# Altium PCB Proyecto_0-Buck_Up.PcbDoc (part 5 of 5)
Units mil, origin at the board's own origin, x right, y up, seen from the top; angles counter-clockwise.
Board outline 2559.06 x 1771.65 mil, 10 copper layers (TOP, GND[1], VDD[1], Signal[1], GND[2], VDD[2], Signal[2], GND[3], VDD[3], Bottom Layer), stack 79.883 mil thick; 191 components, 257 nets, 1114 pads, 633 vias.
Unrouted connection lines stored in the file: 488.
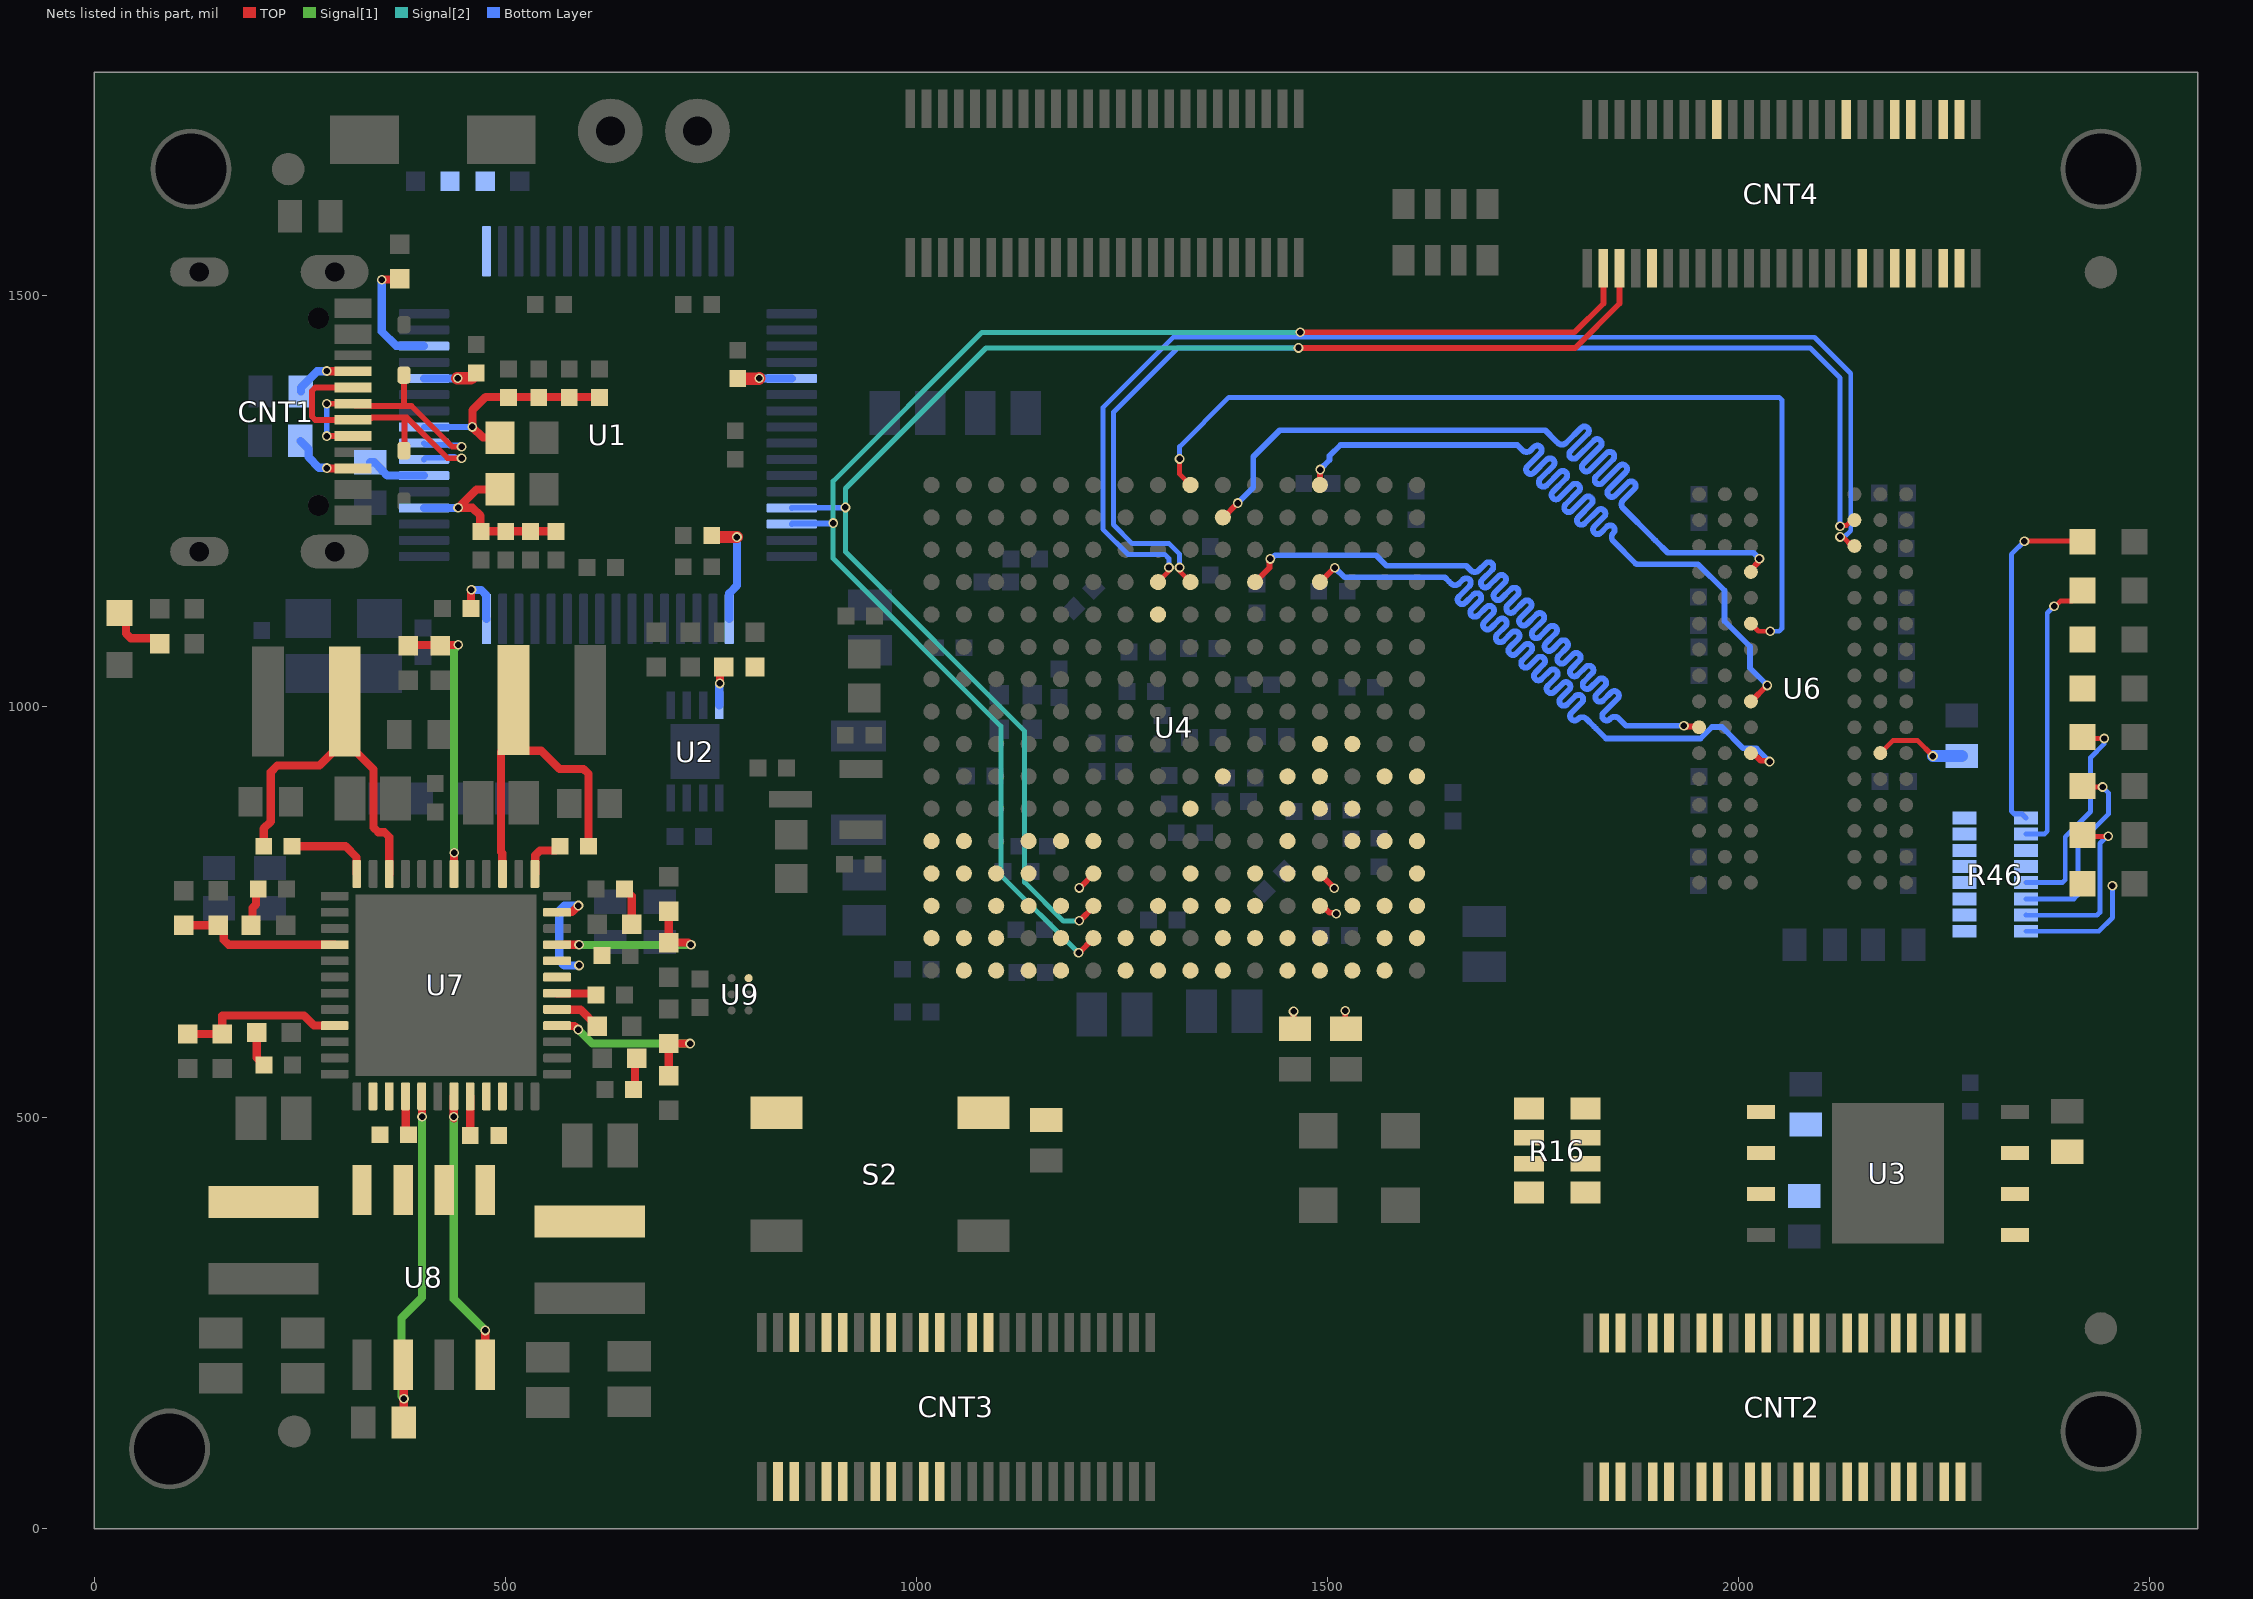
[diagram p13: the nets of this part, all layers, seen from the top]

## Via types
v1: diameter 11.81, hole 7.87, TOP to Bottom Layer, 618 vias
v2: diameter 19.68, hole 11.81, TOP to Bottom Layer, 15 vias

## Nets (pads, with @x,y where several pads share a name; then routed paths per layer and width w, separated by ;. In a path a pad name is that pad's centre, name@x,y a point inside that pad or via, vN(x,y) a via of type N, cw(c..) or ccw(c..) an arc to the next point about the centre after c; other vN are vias at no path point) (continued)
LDQS_P: U4.A9 U6.F3 | length 1131.9
  TOP w6: v1(1320.39,1301) 1320.39,1282.52 U4.A9@1333.57,1269.34 ; U6.F3@2015.22,1100.67 2024.46,1091.43 v1(2038.7,1091.43)
  Bottom Layer w6: v1(1320.39,1301) 1320.39,1316 1380.38,1376 1413,1376 1610,1376 2049.6,1376 2053.12,1372.49 2053.12,1094.94 2049.6,1091.43 v1(2038.7,1091.43)
LED0: CNT4.2 R46.1 U4.K12
LED1: CNT4.3 R46.2 U4.L14
LED2: CNT4.48 R46.3 U4.M14
LED3: CNT4.49 R46.4 U4.K13
LED4: CNT4.6 R46.5 U4.L13
LED5: CNT4.5 R46.6 U4.M12
LED6: CNT4.45 R46.7 U4.M16
LED7: CNT4.46 R46.8 U4.N16
LED_1: D4.A R46.16 | length 150.9
  Bottom Layer w6: R46.16@2349.8,726.57 2438.49,726.57 2455,743.09 v1(2455,782)
LED_2: D5.A R46.15 | length 221.2
  TOP w6: D5.A@2418.65,843.75 2420.4,842 v1(2450,842)
  Bottom Layer w6: R46.15@2349.8,746.26 2350.06,746 2436.16,746 2439.67,749.51 2439.67,833.24 2448.43,842 v1(2450,842)
LED_3: D6.A R46.14 | length 239.4
  TOP w6: D6.A@2418.65,903.18 2419.83,902 v1(2443,902)
  Bottom Layer w6: R46.14@2349.8,765.94 2408.06,765.94 2413,770.89 2413,832 2450,869 2450,895 v1(2443,902)
LED_4: D7.A R46.13 | length 268.6
  TOP w6: D7.A@2418.05,962 D7.A@2418.65,962.61 2420.26,961 v1(2445,961)
  Bottom Layer w6: R46.13@2349.8,785.63 2394.12,785.63 2397.63,789.14 2397.63,841.37 2428.26,872 2428.26,937.74 2445,954.48 v1(2445,961)
LED_5: D8.A R46.12 | length 1.5
  TOP w6: D8.A@2417.62,1021 D8.A@2418.65,1022.03
LED_6: D9.A R46.11 | length 2.2
  TOP w6: D9.A@2417.12,1083 D9.A@2418.65,1081.46
LED_7: D10.A R46.10 | length 347.1
  TOP w6: v1(2384,1122) 2385.57,1122 2391.71,1128.14 2405.91,1128.14 2418.54,1140.78 D10.A@2418.54,1141
  Bottom Layer w6: R46.10@2349.8,844.68 2372.17,844.68 2375.69,848.2 2375.69,1113.68 v1(2384,1122)
LED_8: D11.A R46.9 | length 427.1
  TOP w6: v1(2348,1201) 2417.97,1201 D11.A@2418.65,1200.32
  Bottom Layer w6: v1(2348,1201) 2332,1185 2332,872.76 2335.51,869.24 2344.93,869.24 R46.9@2349.8,864.37
M1: CNT3.48 U4.M1
M2: CNT3.49 U4.M2
M4: CNT3.3 U4.M4
M6: CNT2.17 U4.P15
M15: CNT2.49 U4.M15
N1: CNT3.46 U4.N1
N2: CNT3.6 U4.N2
N3: CNT3.5 U4.N3
N4: CNT3.42 U4.N4
N5: CNT3.43 U4.M5
N6: CNT2.18 U4.P16
N9: CNT2.37 U4.N9
N11: CNT2.8 U4.N11
N12: CNT2.9 U4.N12
N13: CNT2.46 U4.N13 | length 24.6
  TOP w7: U4.N13@1491.22,796.46 v1@1508.59,779.09
  other v1: 1508.59,778.7
NetC85_1: C85.1 U7.32 | length 47.8
  TOP w10: U7.32@457.53,525.76 457.6,525.69 457.6,478.07 C85.1@457.68,478
NetC85_2: C85.2 L5.1 U7.33 U7.34 U8.5 U8.6
NetC88_2: C88.2 R32.1 | length 39.5
  TOP w10: C88.2@656.32,534 658.16,535.84 658.16,570.16 R32.1@660,572
NetC89_1: C89.1 U7.28 | length 48.2
  TOP w10: U7.28@378.79,525.76 379.1,525.45 379.1,482.22 C89.1@382.32,479
NetC89_2: C89.2 L6.1 U7.26 U7.27 U8.7 U8.8
NetC92_2: C92.2 R36.1 | length 43
  TOP w10: R36.1@198,603.39 198,572.68 C92.2@206.68,564
NetC93_1: C93.1 U7.1 | length 57.5
  TOP w10: U7.1@536.27,796.24 536.58,796.55 536.58,818.91 542.44,824.76 561.44,824.76 C93.1@566.68,830
NetC93_2: C93.2 L7.1 U7.3 | length 415.5
  TOP w10: U7.3@496.9,796.24 496.58,796.55 496.58,821.42 495,823 495,945.02 L7.1@510.35,960.36 ; L7.1@510.35,1008 L7.1@510.35,960.36 ; C93.2@601.32,830 601.32,918.14 595.46,924 566.13,924 544.06,946.07 524.64,946.07 L7.1@510.35,960.36
NetC95_2: C95.2 R39.1 | length 46.6
  TOP w10: C95.2@645.32,778 654,769.32 R39.1@654,735
NetC96_1: C96.1 U7.12 | length 104.4
  TOP w10: C96.1@241.01,830 306,830 319.42,816.58 319.42,796.55 U7.12@319.73,796.24
NetC96_2: C96.2 L8.1 U7.10 | length 424.2
  TOP w10: C96.2@206.36,830 206.36,851.36 215,860 215,920.14 222.86,928 274.38,928 L8.1@305,958.62 ; L8.1@305,994 L8.1@305,958.62 ; U7.10@359.1,796.24 359.1,841.14 353.24,847 345.86,847 340,852.86 340,923.62 L8.1@305,958.62
NetC98_2: C98.2 R42.1 | length 47.6
  TOP w10: R42.1@191,734 192.81,735.81 192.81,754.95 196.92,759.07 196.92,775.25 C98.2@199.68,778
NetC100_2: C100.2 U7.42 | length 48.3
  TOP w10: U7.42@563.24,651.16 563.55,650.84 608.83,650.84 C100.2@610.68,649
NetCNT1_A5: CNT1.A5 R2.1 | length 76.9
  TOP w10: v1(283,1408) 283.42,1407.58 CNT1.A5@315.13,1407.58
  Bottom Layer w10: R2.1@251.61,1383 251.61,1387.92 271.34,1407.65 282.65,1407.65 v1(283,1408)
NetCNT1_B5: CNT1.B5 R1.1 | length 83.3
  TOP w10: v1@283.42,1289.47 CNT1.B5@315.13,1289.47
  Bottom Layer w10: R1.1@251,1323 260.76,1313.24 260.76,1303.24 273.76,1290.24 282.65,1290.24 v1(283,1289.89)
NetD3_A: D3.A R15.2 | length 73.5
  TOP w10: D3.A@31,1113.5 38.88,1105.61 38.88,1088.67 44.74,1082.81 72.19,1082.81 R15.2@79,1076
NetR3_2: R3.2 U1.14 | length 144.1
  TOP w10: v1(350,1519) 350.35,1519.35 371.35,1519.35 R3.2@372,1520
  Bottom Layer w10: v1(350,1519) 350,1456 367.22,1438.78 400.87,1438.78 U1.14@401.38,1438.27
NetR4_1: R4.1 R9.1 U2.4 | length 48.8
  TOP w10: v1(761,1028) 761.35,1028.35 761.35,1043.35 R9.1@766,1048
  Bottom Layer w10: U2.4@760.53,1001.5 760.53,1027.53 v1(761,1028)
NetR7_2: R7.2 U1.6 | length 72.4
  Bottom Layer w10: R7.2@336,1297 340.92,1297 350.69,1287.24 350.69,1286.65 356.54,1280.79 U1.6@401.38,1280.79
NetR8_1: R8.1 R10.2 U1.17
NetR16_1: R16.1 U4.J13
NetR16_2: R16.2 U4.J14
NetR16_3: R16.3 U4.K15
NetR16_4: R16.4 U4.K16
NetR17_2: R17.2 U4.K10 | length 22.4
  TOP w7: v1(1522,630) 1522,608.68 R17.2@1522.73,607.95
NetR30_1: R30.1 R31.1 U7.40 | length 235.8
  TOP w10: U7.40@563.24,611.79 563.55,611.47 584.53,611.47 v1(589,607) ; R30.1@699,551 R31.1@699,590 v1(725,590)
  Signal[1] w10: v1(589,607) 606,590 v1(725,590)
NetR33_1: R33.1 R34.1 U7.21 | length 206.2
  TOP w10: R33.1@114,601.62 R34.1@156,601.62 156,624 255.39,624 267.61,611.79 U7.21@292.76,611.79
NetR35_1: R35.1 U7.29 U8.2 | length 450.6
  TOP w10: U8.2@376,199.4 376.65,198.75 376.65,158.35 v1(377,158) 376.8,157.8 376.8,129.2 R35.1@376.61,129 ; U7.29@398.47,525.76 398.79,525.45 398.79,501.21 v1(399,501)
  Signal[1] w10: v1(377,158) 374,161 374,256 399,281 v1(399,501)
NetR37_1: R37.1 R38.1 U7.45 | length 229.5
  TOP w10: U7.45@563.24,710.21 563.34,710.11 589.89,710.11 v1(590,710) ; R37.1@699,751 R38.1@699,712.57 699.22,712.78 722.73,712.78 725.51,710 v1(726,710)
  Signal[1] w10: v1(590,710) v1(726,710)
NetR40_1: R40.1 R41.1 U7.16 | length 200.2
  TOP w10: R41.1@109,733.91 109.04,733.96 R40.1@151,734 R40.1@151,734 157.81,727.19 157.81,716.07 163.67,710.21 U7.16@292.76,710.21
NetR43_1: R43.1 R44.1 U7.6 | length 342.5
  TOP w10: R44.1@382,1073.62 383.04,1074.65 442.65,1074.65 v1(443,1075) ; U7.6@437.84,796.24 438,796.39 437.92,796.47 437.92,821.92 v1(438,822)
  Signal[1] w10: v1(438,822) 438,1069.51 443,1074.51 v1(443,1075)
NetR45_2: R45.2 U7.41 | length 57.2
  TOP w10: U7.41@563.24,631.47 563.55,631.16 591.84,631.16 R45.2@612,611
NetR48_1: R48.1 U6.L8 | length 113.3
  TOP w6: U6.L8@2172.7,943.19 2188.18,958.67 2217.7,958.67 v1(2236.7,939.67)
  Bottom Layer w15: v1(2236.7,939.67) R48.1@2271.7,939.67
NetU7_31: U7.31 U8.4 | length 342.5
  TOP w10: v1@437.68,499 v1@437.84,499.16 ; v1(437.68,501) 437.68,525.61 U7.31@437.84,525.76 ; U8.4@476,199.4 v1(476,241)
  Signal[1] w10: v1(437.68,501) 437.68,279.31 v1(476,241)
ODT: U4.D11 U6.K1 | length 1141.1
  TOP w7: U4.D11@1412.31,1151.23 1429.81,1168.72 1429.81,1178.42 v1(1430.73,1179.34) ; v1(1933.78,976.64) 1934.7,975.72 1951.19,975.72 U6.K1@1952.22,974.69
  Bottom Layer w7: v1(1430.73,1179.34) 1432.03,1179.34 1436.49,1183.8 1559.2,1183.8 1572,1171 1669,1171 1672,1168 1674.47,1165.53 ccw(c1679.42,1170.47) 1684.37,1165.52 1692.69,1173.84 cw(c1696.56,1169.98) 1700.43,1173.84 cw(c1696.56,1169.98) 1700.43,1166.11 1688.37,1154.05 ccw(c1692.24,1150.18) 1688.37,1146.32 ccw(c1692.24,1150.18) 1696.1,1146.32 1708.16,1158.38 cw(c1712.03,1154.51) 1715.9,1158.38 cw(c1712.03,1154.51) 1715.9,1150.64 1703.83,1138.58 ccw(c1707.7,1134.72) 1703.83,1130.85 ccw(c1707.7,1134.72) 1711.57,1130.85 1723.63,1142.91 cw(c1727.5,1139.04) 1731.36,1142.91 cw(c1727.5,1139.04) 1731.36,1135.18 1719.32,1123.13 ccw(c1723.19,1119.27) 1719.32,1115.4 ccw(c1723.19,1119.27) 1727.05,1115.4 1739.1,1127.44 cw(c1742.96,1123.58) 1746.83,1127.44 cw(c1742.96,1123.58) 1746.83,1119.71 1734.81,1107.69 ccw(c1738.68,1103.82) 1734.81,1099.96 ccw(c1738.68,1103.82) 1742.54,1099.96 1754.56,1111.98 cw(c1758.43,1108.11) 1762.3,1111.98 cw(c1758.43,1108.11) 1762.3,1104.24 1750.3,1092.25 ccw(c1754.17,1088.38) 1750.3,1084.51 ccw(c1754.17,1088.38) 1758.03,1084.51 1770.03,1096.51 cw(c1773.9,1092.64) 1777.76,1096.51 cw(c1773.9,1092.64) 1777.76,1088.77 1765.79,1076.8 ccw(c1769.66,1072.93) 1765.79,1069.07 ccw(c1769.66,1072.93) 1773.52,1069.07 1783.45,1078.99 cw(c1787.31,1075.12) 1791.18,1078.99 cw(c1787.31,1075.12) 1791.18,1071.26 1781.28,1061.35 ccw(c1785.14,1057.48) 1781.28,1053.62 ccw(c1785.14,1057.48) 1789.01,1053.62 1798.85,1063.46 cw(c1802.72,1059.6) 1806.59,1063.46 cw(c1802.72,1059.6) 1806.59,1055.73 1796.76,1045.9 ccw(c1800.63,1042.03) 1796.76,1038.17 ccw(c1800.63,1042.03) 1804.49,1038.17 1814.35,1048.03 cw(c1818.22,1044.16) 1822.09,1048.03 cw(c1818.22,1044.16) 1822.09,1040.29 1812.24,1030.45 ccw(c1816.11,1026.58) 1812.24,1022.72 ccw(c1816.11,1026.58) 1819.98,1022.72 1829.85,1032.59 cw(c1833.71,1028.72) 1837.58,1032.59 cw(c1833.71,1028.72) 1837.58,1024.85 1827.73,1015 ccw(c1831.59,1011.13) 1827.73,1007.26 ccw(c1831.59,1011.13) 1835.46,1007.26 1845.35,1017.15 cw(c1849.21,1013.28) 1853.08,1017.15 cw(c1849.21,1013.28) 1853.08,1009.42 1835.95,992.29 ccw(c1839.82,988.42) 1835.95,984.55 ccw(c1839.82,988.42) 1843.68,984.55 1844.62,985.49 cw(c1849.56,980.54) 1854.51,985.49 1862.53,977.47 1863.36,976.64 1866.64,976.64 v1(1933.78,976.64)
P1: CNT3.45 U4.P1
P3: CNT3.9 U4.P3
P4: CNT3.8 U4.P4
P5: CNT4.21 U4.P5
P8: CNT2.34 U4.P8
P9: CNT2.36 U4.P9
P10: CNT2.43 U4.P10
P11: CNT2.42 U4.P11
P13: CNT2.45 U4.P13 | length 23.9
  TOP w7: U4.P13@1491.37,758.27 1493.74,758.27 1503.09,748.92 1510.08,748.92 v1(1511,748)
P14: CNT2.48 U4.P14
PROGRAM_B: CNT4.8 R18.2 U4.L9 | length 21.8
  TOP w7: v1(1459,629) 1459,609.68 R18.2@1460.73,607.95
QSPI_\C\S\: R13.2 U3.1 U4.L12
QSPI_CCLK: U3.6 U4.E8
QSPI_DATA0: R16.8 U3.5
QSPI_DATA1: R16.7 U3.2
QSPI_DATA2: R11.2 R16.6 U3.3
QSPI_DATA3: R12.2 R16.5 U3.7
R1: CNT3.12 U4.R1
R2: CNT3.11 U4.R2
R3: CNT3.40 U4.R3
R5: CNT2.23 U4.M6
R6: CNT2.28 U4.T5
R7: CNT2.27 U4.R7
R8: CNT2.33 U4.R8
R10: CNT2.14 U4.R10
R11: CNT2.15 U4.R11
R12: CNT2.11 U4.R12
R13: CNT2.40 U4.R13
R15: CNT2.2 U4.R15
R16: CNT2.3 U4.R16
R\A\S\: U4.A13 U6.J3 | length 1112.5
  TOP w7: U4.A13@1491.05,1269.34 1491.2,1269.48 1491.2,1287.95 v1(1491.34,1288.09) ; U6.J3@2015.22,1006.19 2015.62,1006.21 2034.92,1025.51 v1(2035.3,1025.51)
  Bottom Layer w7: v1(1491.34,1288.09) 1491.34,1288.39 1502.79,1299.84 1502.79,1304.79 1516,1318 1731,1318 1735,1314 1737.48,1311.52 ccw(c1742.43,1316.47) 1747.38,1311.52 1751.6,1315.74 cw(c1755.46,1311.87) 1759.33,1315.74 cw(c1755.46,1311.87) 1759.33,1308.01 1743.39,1292.07 ccw(c1747.26,1288.2) 1743.39,1284.34 ccw(c1747.26,1288.2) 1751.12,1284.34 1767.06,1300.27 cw(c1770.93,1296.41) 1774.8,1300.27 cw(c1770.93,1296.41) 1774.8,1292.54 1758.86,1276.6 ccw(c1762.73,1272.74) 1758.86,1268.87 ccw(c1762.73,1272.74) 1766.59,1268.87 1782.53,1284.81 cw(c1786.4,1280.94) 1790.26,1284.81 cw(c1786.4,1280.94) 1790.26,1277.07 1774.33,1261.14 ccw(c1778.19,1257.27) 1774.33,1253.4 ccw(c1778.19,1257.27) 1782.06,1253.4 1798,1269.34 cw(c1801.86,1265.47) 1805.73,1269.34 cw(c1801.86,1265.47) 1805.73,1261.61 1789.79,1245.67 ccw(c1793.66,1241.8) 1789.79,1237.93 ccw(c1793.66,1241.8) 1797.53,1237.93 1813.46,1253.87 cw(c1817.33,1250.01) 1821.2,1253.87 cw(c1817.33,1250.01) 1821.2,1246.14 1805.26,1230.2 ccw(c1809.13,1226.33) 1805.26,1222.47 ccw(c1809.13,1226.33) 1812.99,1222.47 1828.93,1238.41 cw(c1832.8,1234.54) 1836.67,1238.41 cw(c1832.8,1234.54) 1836.67,1230.67 1824.84,1218.85 ccw(c1828.71,1214.98) 1824.84,1211.12 ccw(c1828.71,1214.98) 1832.58,1211.12 1840.18,1218.72 cw(c1844.05,1214.85) 1847.91,1218.72 cw(c1844.05,1214.85) 1847.91,1210.99 ccw(c1852.86,1206.04) 1847.91,1201.09 1875.03,1173.97 1876,1173 1879,1173 1951,1173 1983,1141 1983,1104 2014.1,1072.9 2014.1,1046.71 v1(2035.3,1025.51)
RESET: CNT4.42 R47.1 S2.1 S2.2 U4.R5
T2: CNT3.39 U4.T2
T3: CNT3.15 U4.T3
T4: CNT3.14 U4.T4
T5: CNT2.24 U4.N6 | length 24.6
  TOP w7: v1@1198.89,779.26 U4.N6@1216.27,796.63
  other v1: 1198.5,779.26
T7: CNT2.20 U4.T7
T8: CNT2.21 U4.T8
T9: CNT2.31 U4.T9
T10: CNT2.30 U4.T10
T12: CNT2.12 U4.T12
T13: CNT2.39 U4.T13
T14: CNT2.5 U4.T14
T15: CNT2.6 U4.T15
UART_RX: CNT4.24 U1.46 U4.R6 | length 1842.1
  TOP w7: v1@1197.89,700.26 U4.R6@1215.27,717.63 ; v1(1467,1455) 1800.83,1455 1835.83,1490 CNT4.24@1835.83,1532.9
  Signal[2] w6: v1(1197.5,700.26) 1103,794.76 1103,976 899,1180 v1(899,1223) 899,1274 1080,1455 v1(1467,1455)
  Bottom Layer w7: U1.46@848.62,1221.73 849.26,1222.37 898.37,1222.37 v1(899,1223)
UART_TX: CNT4.23 U1.45 U4.P6 | length 1822.6
  TOP w7: v1@1198.89,739.26 U4.P6@1216.27,756.63 ; v1(1465,1436) 1801.52,1436 1855.52,1490 CNT4.23@1855.52,1532.9
  Signal[2] w6: v1@1198,739 1179,739 1132,786 1132,970 914,1188 v1(914,1242) 914,1265 1085,1436 v1(1465,1436)
  Bottom Layer w7: U1.45@848.62,1241.42 848.91,1241.71 913.71,1241.71 v1(914,1242)
  other v1: 1198.5,739.26
UDM: U4.B10 U6.D3 | length 1141.5
  TOP w7: U4.B10@1372.94,1229.97 1373.72,1229.97 v1(1391.1,1247.34) ; U6.D3@2015.22,1163.67 2015.22,1166.35 2024.78,1175.91 2024.78,1178.75 v1(2025.7,1179.67)
  Bottom Layer w7: v1(1391.1,1247.34) 1410,1266.24 1410,1303.74 1442.26,1336 1765,1336 1778,1323 1780.47,1320.53 ccw(c1785.42,1325.47) 1790.37,1320.52 1808.9,1339.05 cw(c1812.77,1335.18) 1816.64,1339.05 cw(c1812.77,1335.18) 1816.64,1331.32 1795.84,1310.52 ccw(c1799.71,1306.65) 1795.84,1302.79 ccw(c1799.71,1306.65) 1803.57,1302.79 1824.37,1323.58 cw(c1828.24,1319.72) 1832.1,1323.58 cw(c1828.24,1319.72) 1832.1,1315.85 1811.31,1295.05 ccw(c1815.17,1291.19) 1811.31,1287.32 ccw(c1815.17,1291.19) 1819.04,1287.32 1839.84,1308.12 cw(c1843.7,1304.25) 1847.57,1308.12 cw(c1843.7,1304.25) 1847.57,1300.38 1826.77,1279.59 ccw(c1830.64,1275.72) 1826.77,1271.85 ccw(c1830.64,1275.72) 1834.51,1271.85 1855.3,1292.65 cw(c1859.17,1288.78) 1863.04,1292.65 cw(c1859.17,1288.78) 1863.04,1284.92 1842.24,1264.12 ccw(c1846.11,1260.25) 1842.24,1256.39 ccw(c1846.11,1260.25) 1849.97,1256.39 1865.77,1272.18 cw(c1869.64,1268.31) 1873.5,1272.18 cw(c1869.64,1268.31) 1873.5,1264.45 1859.98,1250.92 ccw(c1864.93,1245.97) 1859.98,1241.02 1896.63,1204.37 1899.11,1201.89 1914,1187 2018.37,1187 v1(2025.7,1179.67)
UDQS_N: U4.D9 U6.B7 | length 1403.8
  TOP w6: v1(1320.39,1169) 1320.39,1164.41 U4.D9@1333.57,1151.23 ; v1(2123.7,1219.17) 2124.81,1220.28 2131.87,1220.28 2138.24,1226.66 U6.B7@2141.2,1226.66
  Bottom Layer w6: v1(1320.39,1169) 1320.39,1185.29 1307.68,1198 1263,1198 1240,1221 1240,1358 1318,1436 2087.28,1436 2123.7,1399.58 v1(2123.7,1219.17)
UDQS_P: U4.D8 U6.C7 | length 1469.9
  TOP w6: U4.D8@1294.2,1151.23 1307.39,1164.41 v1(1307.39,1169) ; v1(2123.7,1206.17) 2124.81,1205.06 2128.35,1205.06 2138.24,1195.16 U6.C7@2141.2,1195.16
  Bottom Layer w6: v1(1307.39,1169) 1307.39,1179.91 1302.29,1185 1257.62,1185 1227,1215.62 1227,1363.38 1312.62,1449 2092.66,1449 2136.7,1404.96 2136.7,1213.78 2129.08,1206.17 v1(2123.7,1206.17)
USB_DATA_N: CNT1.A7 CNT1.B7 D1.K U1.7 | length 376.3
  TOP w7: CNT1.B7@315.13,1387.9 269.1,1387.9 265,1383.8 265,1352.63 269.1,1348.53 CNT1.A7@315.13,1348.53 317.53,1350.93 337.73,1350.93 338.17,1351.37 377.59,1351.37 ; D1.K@377,1311 377.59,1311.59 377.59,1351.37 ; v1(447,1302) 429.8,1302 380.43,1351.37 377.59,1351.37
  Bottom Layer w7: U1.7@401.38,1300.47 403.39,1302.48 431.86,1302.48 432.69,1303.31 438.49,1303.31 439.8,1302 v1(447,1302)
USB_DATA_P: CNT1.A6 CNT1.B6 D2.K U1.8 | length 341.7
  TOP w7: v1(283.21,1328.84) CNT1.B6@315.13,1328.84 ; v1(283.21,1368.21) CNT1.A6@315.13,1368.21 317.53,1365.81 337.73,1365.81 338.17,1365.37 377,1365.37 ; D2.K@377,1403 377,1365.37 ; v1(447,1316) 435.59,1316 386.23,1365.37 377,1365.37
  Bottom Layer w7: v1(283.21,1328.84) v1(283.21,1368.21) ; U1.8@401.38,1320.16 403.39,1318.15 431.86,1318.15 432.69,1317.31 444.29,1317.31 445.6,1316 v1(447,1316)
VCORE: C9.1 C12.2 C13.2 C14.2 U1.12 U1.37 U1.49 U1.64 | length 340.9
  TOP w10: C12.2@458.34,1119.02 459.02,1119.69 458.68,1120.03 458.68,1141.68 v1(459.02,1142.02)
  TOP w15: v1@442,1399 458.32,1399 C14.2@465,1405.68 ; C9.1@751.32,1208 753.32,1206 v1(782,1206) ; C13.2@783,1398.68 808.68,1398.68 v1(809,1399)
  Bottom Layer w10: U1.12@401.38,1398.9 441.9,1398.9 v1@442,1399 ; v1(459.02,1142.02) 459.36,1141.67 470.99,1141.67 476.85,1135.81 476.85,1106.89 U1.64@477.36,1106.38 ; U1.49@772.64,1106.38 772.64,1137.64 782,1147 v1(782,1206) ; v1(809,1399) 809.05,1398.95 848.47,1398.95 848.52,1399 U1.37@848.62,1398.9
  other v1: 442.54,1399
VPHY: C1.2 C2.2 C3.2 C4.2 L1.2 U1.4 | length 243.4
  TOP w10: L1.2@494,1264 465.13,1264 v1(442.76,1241.63) 460.27,1241.63 469.87,1232.02 469.87,1214.21 471.1,1212.98 500.76,1212.98 530.76,1212.98 561.43,1212.98 C1.2@561.76,1212.65
  Bottom Layer w10: U1.4@401.38,1241.42 442.54,1241.42 v1(442.76,1241.63)
VPLL: C5.2 C6.2 C7.2 C8.2 L2.2 U1.9 | length 267.8
  TOP w10: L2.2@494,1327 473,1327 v1(460,1340) 460.35,1340.35 460.35,1360.35 476.35,1376.35 529,1376.35 541,1376.35 566,1376.35 578,1376.35 603,1376.35
  Bottom Layer w7: U1.9@401.38,1339.84 459.84,1339.84 v1(460,1340)
VREG: C102.2 U7.43 U7.44 U7.47 | length 142.4
  TOP w10: U7.47@563.24,749.58 563.55,749.9 581.23,749.9 v1(589.19,757.85)
  Bottom Layer w10: v1(589.19,757.85) 588.84,757.51 571.86,757.51 566,751.65 566,690.86 571.86,685 v1(590,685)
VSelect: CNT4.34 U9.B3
W\E\: U4.D13 U6.L3 | length 1112.4
  TOP w7: U4.D13@1491.05,1151.23 1491.44,1151.23 1508.82,1168.6 v1(1509.21,1168.6) ; U6.L3@2015.22,943.19 2017.9,943.19 2027.18,933.92 2037.08,933.92 v1(2038,933)
  Bottom Layer w7: v1(1509.21,1168.6) 1520.81,1157 1643,1157 1648,1152 1650.47,1149.53 ccw(c1655.42,1154.47) 1660.37,1149.52 1665.19,1154.34 cw(c1669.06,1150.48) 1672.93,1154.34 cw(c1669.06,1150.48) 1672.93,1146.61 1660.11,1133.79 ccw(c1663.98,1129.93) 1660.11,1126.06 ccw(c1663.98,1129.93) 1667.84,1126.06 1678,1136.22 cw(c1681.87,1132.35) 1685.74,1136.22 cw(c1681.87,1132.35) 1685.74,1128.49 1675.58,1118.33 ccw(c1679.44,1114.46) 1675.58,1110.59 ccw(c1679.44,1114.46) 1683.31,1110.59 1693.47,1120.75 cw(c1697.34,1116.88) 1701.2,1120.75 cw(c1697.34,1116.88) 1701.2,1113.02 1691.04,1102.86 ccw(c1694.91,1098.99) 1691.04,1095.12 ccw(c1694.91,1098.99) 1698.78,1095.12 1708.96,1105.3 cw(c1712.82,1101.43) 1716.69,1105.3 cw(c1712.82,1101.44) 1716.69,1097.57 1706.51,1087.39 ccw(c1710.38,1083.52) 1706.51,1079.66 ccw(c1710.38,1083.52) 1714.25,1079.66 1724.45,1089.86 cw(c1728.31,1085.99) 1732.18,1089.86 cw(c1728.31,1085.99) 1732.18,1082.13 1721.98,1071.92 ccw(c1725.85,1068.06) 1721.98,1064.19 ccw(c1725.85,1068.06) 1729.71,1064.19 1739.94,1074.41 cw(c1743.8,1070.55) 1747.67,1074.41 cw(c1743.8,1070.55) 1747.67,1066.68 1737.45,1056.46 ccw(c1741.31,1052.59) 1737.45,1048.72 ccw(c1741.31,1052.59) 1745.18,1048.72 1755.42,1058.97 cw(c1759.29,1055.1) 1763.16,1058.97 cw(c1759.29,1055.1) 1763.16,1051.23 1752.91,1040.99 ccw(c1756.78,1037.12) 1752.91,1033.26 ccw(c1756.78,1037.12) 1760.65,1033.26 1770.91,1043.52 cw(c1774.78,1039.65) 1778.65,1043.52 cw(c1774.78,1039.65) 1778.65,1035.79 1768.38,1025.52 ccw(c1772.25,1021.66) 1768.38,1017.79 ccw(c1772.25,1021.66) 1776.11,1017.79 1786.4,1028.07 cw(c1790.26,1024.2) 1794.13,1028.07 cw(c1790.26,1024.2) 1794.13,1020.34 1783.85,1010.06 ccw(c1787.72,1006.19) 1783.85,1002.32 ccw(c1787.72,1006.19) 1791.58,1002.32 1801.88,1012.62 cw(c1805.75,1008.75) 1809.61,1012.62 cw(c1805.75,1008.75) 1809.61,1004.89 1796.94,992.21 ccw(c1800.81,988.34) 1796.94,984.48 ccw(c1800.81,988.34) 1804.67,984.48 1805.15,984.95 cw(c1810.1,980) 1815.05,984.95 1824.35,975.65 1826.82,973.18 1839,961 1954,961 1968,975 1980,975 2006,949 2022,949 v1(2038,933)
pads on no net: CNT1. CNT1.A8 CNT1.B8 R19.4 R19.5 U1.16 U1.18 U1.19 U1.21 U1.22 U1.23 U1.24 U1.26 U1.27 U1.33 U1.34 U1.36 U1.38 U1.39 U1.40 U1.41 U1.43 U1.44 U1.48 U1.52 U1.53 U1.54 U1.55 U1.57 U1.58 U1.59 U1.60 U2.7 U4.A6 U4.B3 U4.B11 U4.D7 U6.J1 U6.J9 U6.L1 U6.L9 U6.M7 U7.20
copper on no net: | length 8661.4
  TOP w3.94: 0,0 2559.06,0 2559.06,1771.65 157.48,1771.65 118.11,1771.65 0,1771.65 0,1692.91 0,1614.17 0,0
  other v1: 275,510 300,510
  other v2: 1450,390 1532,390 1448,434 1530,434 1492,435

## Polygon pours and split planes (outlines as drawn)
BVUS_PROTECTED on TOP "BVUS_PROTECTED_L01_P066" (solid, pour order 66): 350,1725 400,1725 400,1655 399,1655 350,1655
BVUS on TOP "TOP-BVUS" (solid, pour order 65): 340,1439 341,1467 235,1467 235,1567 257,1567 257,1620 175,1620 175,1251 336.27,1252 340,1252 340,1277 254,1277 254,1439
QSPI_DATA3 on TOP "QSPI_DATA3_L01_P060" (solid, pour order 60): 2426,479.79 2317,479.79 2317,439.79 2426,439.79
+3V3 on TOP "+3V3_L01_P059" (solid, pour order 59): 2426,529 2317,529 2317,489 2426,489
GND on TOP "TOP-GND 1" (solid, pour order 40): 633,593 680,593 680,618 718,618 718,655 750,655 750,684 713,684 682,684 682,712 633,712
AGND on TOP "TOP-AGND" (solid, pour order 58): 877,793 925,793 925,825 889,825 889,900 820,900 820,942 791,942 791,875 816,875 816,821 877,821
+3V3 on TOP "+3V3_L01_P055" (solid, pour order 55): 901,870 901,834 931,834 931,793 966,793 966,870
+1V25_VREF_ADC on TOP "+1V25_VREF_ADC_L01_P051" (solid, pour order 51): 830,941 830,909 964,909 964,941
+1V8_VCC_ADC on TOP "+1V8_VCC_ADC_L01_P050" (solid, pour order 50): 961,952 961,1030 895,1030 895,990 937,990 937,952
+1V8' on TOP "+1V8'_L01_P049" (solid, pour order 49): 961,1121 961,1044 895,1044 895,1083 936,1083 936,1121
+3V3 on TOP "+3V3_L01_P048" (solid, pour order 48): 1433,578 1550,578 1550,362 1433,362
+1V8 on TOP "+1V8_L01_P045" (solid, pour order 45): 583.29,1076 583.29,939 610,939 610,863 666,863 666,1076
+1V35 on TOP "+1V35_L01_P038" (solid, pour order 38): 235,1080 235,937 206,937 206,865 144,865 144,1080
GND on TOP "GND_L01_P036" (solid, pour order 36): 621,498 668,498 668,487 716,487 716,434 621,434
GND on TOP "GND_L01_P033" (solid, pour order 33): 690,175 690,125 407,125 407,235 450,235 450,160 509,160 509,175
GND on TOP "TOP-GND" (solid, pour order 31): 285,156.21 285,108 345.02,108 345.02,158 345,158 345,235 310,235 310,206 287,206 121,206 121,156.21
NetC85_2 on TOP "TOP-NetC85_2" (solid, pour order 26): 410,346 685,346 685,423 504,423 504,544 470,544 470,505 479,505 479,444 411,444 410,445
NetC89_2 on TOP "TOP-NetC89_2" (solid, pour order 24): 110,375 392,375 392,450 366,450 366,543 333,543 333,450 110,450
+5V on TOP "+5V_L01_P020" (solid, pour order 20): 510,544 510,500 510,435 610,435 610,499 546,499 545,500 545,544
VREG on TOP "TOP-VREG" (solid, pour order 13): 622,672 630,672 630,712 603,712 603,700 545,700 545,662 585,662 585,672
+5V on TOP "TOP-+5V" (solid, pour order 2): 218.56,468 280.56,468 280.56,498.69 280.87,499 327,499 327,543 311,543 311,580 274,580 274,543 218.56,543
NetR4_1 on TOP "NETR4_1_L01_P047" (solid, pour order 47): 753,1060 817,1060 817,1035 753,1035
+3V3 on TOP "+3V3_L01_P037" (solid, pour order 37): 681,525 735,525 735,492 681,492
+3V3 on TOP "+3V3_L01_P032" (solid, pour order 32): 684,188 519,188 519,302 684,302
+1V on TOP "+1V_L01_P021" (solid, pour order 21): 286,215 121,215 121,329 286,329
GND on TOP "GND_L01_P003" (solid, pour order 3): 325,700 325,641 270,641 270,699 270,700
NetR8_1 on Bottom Layer "NETR8_1_L10_P068" (solid, pour order 68): 415,1655 495,1655 495,1620 415,1620
BVUS_PROTECTED on Bottom Layer "BVUS_PROTECTED_L10_P067" (solid, pour order 67): 407,1621 370,1621 370,1721 407,1721
+3V3 on Bottom Layer "+3V3_L10_P062" (solid, pour order 62): 2103,316 2103,373 2057,373 2057,316
+3V3 on Bottom Layer "+3V3_L10_P061" (solid, pour order 61): 2059,580 2059,523 2105,523 2105,580
GND on Bottom Layer "GND_L10_P056" (solid, pour order 56): 890,825 890,890 970,890 970,825
Enable_CH4 on Bottom Layer "ENABLE_CH4_L10_P046" (solid, pour order 46): 131,770 235,770 235,739 131,739
Enable_CH3 on Bottom Layer "ENABLE_CH3_L10_P043" (solid, pour order 43): 607,778 709,778 709,747 607,747
Enable_CH1y5 on Bottom Layer "ENABLE_CH1Y5_L10_P042" (solid, pour order 42): 380,910 473,910 473,865 380,865
GND on Bottom Layer "GND_L10_P041" (solid, pour order 41): 486,913 565,913 565,850 535,850 535,866 486,866
no net on VDD[2] (split plane): 2538.96,20.1 20.1,20.1 20.1,1614.17 20.1,1751.56 2538.96,1751.56
no net on GND[2] (split plane): 2538.96,20.1 20.1,20.1 20.1,1614.17 20.1,1751.56 2538.96,1751.56
no net on GND[1] (split plane): 2538.96,20.1 20.1,20.1 20.1,1614.17 20.1,1751.56 2538.96,1751.56
no net on VDD[1] (split plane): 2538.96,20.1 20.1,20.1 20.1,1614.17 20.1,1751.56 2538.96,1751.56
no net on GND[3] (split plane): 2538.96,20.1 20.1,20.1 20.1,1614.17 20.1,1751.56 2538.96,1751.56
no net on VDD[3] (split plane): 2538.96,20.1 20.1,20.1 20.1,1614.17 20.1,1751.56 2538.96,1751.56

## Other copper
TOP:
  rectangle net GND: 148,470.66 212.17,527.66
  rectangle net GND: 223.61,856.66 313.61,913.66
  rectangle net GND: 503,854 593,911
  rectangle net GND: 242,1470 339,1551
  region net GND: 339,1246.74 246.37,1246.74 246.37,1165.74 339,1165.74
Bottom Layer:
  rectangle net GND: 1325.73,575.34 1367.73,658.34

## Silkscreen, mask and mechanical layers (free items; w line width, h text height)
Mechanical 13:
  drawing of 741 lines, arcs and shapes, not listed
  text "Layer" at 3781.65,4388.93 h44.48
  text "Name" at 4090.68,4388.93 h44.48
  text "Material" at 4785.06,4388.93 h44.48
  text "Thickness" at 5427.56,4388.93 h44.48
  text "Constant" at 5914.45,4388.93 h44.48
  text "Board Layer Stack" at 6342.05,4388.93 h44.48
  text "Top Overlay" at 4090.68,4299.98 h44.48
  text "Top Solder" at 4090.68,4211.02 h44.48
  text "Solder Resist" at 4785.06,4211.02 h44.48
  text "0,40mil" at 5427.56,4211.02 h44.48
  text "3.5" at 5914.45,4211.02 h44.48
  text "1" at 3781.65,4122.07 h44.48
  text "TOP" at 4090.68,4122.07 h44.48
  text "0,69mil" at 5427.56,4122.07 h44.48
  text "Dielectric 2" at 4090.68,4033.12 h44.48
  text "PP-015" at 4785.06,4033.12 h44.48
  text "4,06mil" at 5427.56,4033.12 h44.48
  text "4.45" at 5914.45,4033.12 h44.48
  text "2" at 3781.65,3944.16 h44.48
  text "GND[1]" at 4090.68,3944.16 h44.48
  text "1,38mil" at 5427.56,3944.16 h44.48
  text "Dielectric 3" at 4090.68,3855.21 h44.48
  text "PP-006" at 4785.06,3855.21 h44.48
  text "9,06mil" at 5427.56,3855.21 h44.48
  text "4.6" at 5914.45,3855.21 h44.48
  text "3" at 3781.65,3766.26 h44.48
  text "VDD[1]" at 4090.68,3766.26 h44.48
  text "1,38mil" at 5427.56,3766.26 h44.48
  text "Dielectric 4" at 4090.68,3677.3 h44.48
  text "PP-023" at 4785.06,3677.3 h44.48
  text "7,72mil" at 5427.56,3677.3 h44.48
  text "4.74" at 5914.45,3677.3 h44.48
  text "4" at 3781.65,3588.35 h44.48
  text "Signal[1]" at 4090.68,3588.35 h44.48
  text "1,38mil" at 5427.56,3588.35 h44.48
  text "Dielectric 5" at 4090.68,3499.4 h44.48
  text "PP-006" at 4785.06,3499.4 h44.48
  text "9,06mil" at 5427.56,3499.4 h44.48
  text "4.6" at 5914.45,3499.4 h44.48
  text "5" at 3781.65,3410.44 h44.48
  text "GND[2]" at 4090.68,3410.44 h44.48
  text "1,38mil" at 5427.56,3410.44 h44.48
  text "Dielectric 1" at 4090.68,3321.49 h44.48
  text "PP-023" at 4785.06,3321.49 h44.48
  text "7,72mil" at 5427.56,3321.49 h44.48
  text "4.74" at 5914.45,3321.49 h44.48
  text "6" at 3781.65,3232.53 h44.48
  text "VDD[2]" at 4090.68,3232.53 h44.48
  text "1,38mil" at 5427.56,3232.53 h44.48
  text "Dielectric 6" at 4090.68,3143.58 h44.48
  text "PP-006" at 4785.06,3143.58 h44.48
  text "9,06mil" at 5427.56,3143.58 h44.48
  text "4.6" at 5914.45,3143.58 h44.48
  text "7" at 3781.65,3054.63 h44.48
  text "Signal[2]" at 4090.68,3054.63 h44.48
  text "1,38mil" at 5427.56,3054.63 h44.48
  text "Dielectric 7" at 4090.68,2965.67 h44.48
  text "PP-023" at 4785.06,2965.67 h44.48
  text "7,72mil" at 5427.56,2965.67 h44.48
  text "4.74" at 5914.45,2965.67 h44.48
  text "8" at 3781.65,2876.72 h44.48
  text "GND[3]" at 4090.68,2876.72 h44.48
  text "1,38mil" at 5427.56,2876.72 h44.48
  text "Dielectric 8" at 4090.68,2787.77 h44.48
  text "PP-006" at 4785.06,2787.77 h44.48
  text "9,06mil" at 5427.56,2787.77 h44.48
  text "4.6" at 5914.45,2787.77 h44.48
  text "9" at 3781.65,2698.81 h44.48
  text "VDD[3]" at 4090.68,2698.81 h44.48
  text "1,38mil" at 5427.56,2698.81 h44.48
  text "Dielectric 9" at 4090.68,2609.86 h44.48
  text "PP-015" at 4785.06,2609.86 h44.48
  text "4,06mil" at 5427.56,2609.86 h44.48
  text "4.45" at 5914.45,2609.86 h44.48
  text "10" at 3781.65,2520.91 h44.48
  text "Bottom Layer" at 4090.68,2520.91 h44.48
  text "0,69mil" at 5427.56,2520.91 h44.48
  text "Bottom Solder" at 4090.68,2431.95 h44.48
  text "Solder Resist" at 4785.06,2431.95 h44.48
  text "0,40mil" at 5427.56,2431.95 h44.48
  text "3.5" at 5914.45,2431.95 h44.48
  text "Bottom Overlay" at 4090.68,2343 h44.48
Drill Drawing:
  circle w10: c2375.03,5978.33 r33.33
  lines w10: 2341.7,5061.66 2358.37,5061.66 2358.37,5044.99 2391.7,5044.99 2391.7,5061.66 2408.37,5061.66 2408.37,5094.99 2391.7,5094.99 2391.7,5111.66 2358.37,5111.66 2358.37,5094.99 2341.7,5094.99 2341.7,5061.66 ; 2341.7,5194.99 2375.03,5211.66 2408.37,5194.99 2391.7,5228.33 2408.37,5261.66 2375.03,5244.99 2341.7,5261.66 2358.37,5228.33 2341.7,5194.99 ; 2341.7,5361.66 2358.37,5361.66 2375.03,5344.99 2391.7,5361.66 2408.37,5361.66 2391.7,5378.33 2408.37,5394.99 2391.7,5394.99 2375.03,5411.66 2358.37,5394.99 2341.7,5394.99 2358.37,5378.33 2341.7,5361.66 ; 2341.7,5528.33 2375.03,5494.99 2408.37,5528.33 2375.03,5561.66 2341.7,5528.33 ; 2341.7,5711.66 2408.37,5711.66 2375.03,5644.99 2341.7,5711.66 ; 2341.7,5794.99 2408.37,5794.99 2408.37,5861.66 2341.7,5861.66 2341.7,5794.99
  lines w15: 2281.91,4999.99 15540.18,4999.99 ; 2281.91,6049.99 15540.18,6049.99 ; 2832.78,4849.99 2832.78,6199.99 ; 3432.63,4849.99 3432.63,6199.99 ; 4552.3,4849.99 4552.3,6199.99 ; 5058.18,4849.99 5058.18,6199.99 ; 5791.98,4849.99 5791.98,6199.99 ; 6981.63,4849.99 6981.63,6199.99 ; 7571.48,4849.99 7571.48,6199.99 ; 8317.28,4849.99 8317.28,6199.99 ; 9506.93,4849.99 9506.93,6199.99 ; 10360.69,4849.99 10360.69,6199.99 ; 11694.3,4849.99 11694.3,6199.99 ; 13027.91,4849.99 13027.91,6199.99 ; 14137.58,4849.99 14137.58,6199.99 ; 2281.91,4849.99 15540.18,4849.99 15540.18,6199.99 2281.91,6199.99 2281.91,4849.99
  text "Symbol" at 2371.91,6094.99 h72
  text "Count" at 2877.78,6094.99 h72
  text "Hole Size" at 3477.63,6094.99 h72
  text "Plated" at 4597.3,6094.99 h72
  text "Hole Type" at 5103.18,6094.99 h72
  text "Drill Layer Pair" at 5836.98,6094.99 h72
  text "Via/Pad" at 7026.63,6094.99 h72
  text "Pad Shape" at 7616.48,6094.99 h72
  text "Template" at 8362.28,6094.99 h72
  text "Description" at 9551.93,6094.99 h72
  text "Hole Tolerance (+)" at 10405.69,6094.99 h72
  text "Hole Tolerance (-)" at 11739.3,6094.99 h72
  text "Hole Length" at 13072.91,6094.99 h72
  text "Routed Path Length" at 14182.58,6094.99 h72
  text "2" at 2877.78,5944.99 h60
  text "23,62mil (0,600mm)" at 3477.63,5944.99 h60
  text "PTH" at 4597.3,5944.99 h60
  text "Slot" at 5103.18,5944.99 h60
  text "TOP - Bottom Layer" at 5836.98,5944.99 h60
  text "Pad" at 7026.63,5944.99 h60
  text "Rounded" at 7616.48,5944.99 h60
  text "r180_90h60_140r100" at 8362.28,5944.99 h60
  text "55,12mil (1,400mm)" at 13072.91,5944.99 h60
  text "31,50mil (0,800mm)" at 14182.58,5944.99 h60
  text "2" at 2877.78,5794.99 h60
  text "23,62mil (0,600mm)" at 3477.63,5794.99 h60
  text "PTH" at 4597.3,5794.99 h60
  text "Slot" at 5103.18,5794.99 h60
  text "TOP - Bottom Layer" at 5836.98,5794.99 h60
  text "Pad" at 7026.63,5794.99 h60
  text "Rounded" at 7616.48,5794.99 h60
  text "r210_105h60_170r100" at 8362.28,5794.99 h60
  text "66,93mil (1,700mm)" at 13072.91,5794.99 h60
  text "43,31mil (1,100mm)" at 14182.58,5794.99 h60
  text "2" at 2877.78,5644.99 h60
  text "25,59mil (0,650mm)" at 3477.63,5644.99 h60
  text "NPTH" at 4597.3,5644.99 h60
  text "Round" at 5103.18,5644.99 h60
  text "TOP - Bottom Layer" at 5836.98,5644.99 h60
  text "Pad" at 7026.63,5644.99 h60
  text "Rounded" at 7616.48,5644.99 h60
  text "c65hn65" at 8362.28,5644.99 h60
  text "-" at 13072.91,5644.99 h60
  text "-" at 14182.58,5644.99 h60
  text "2" at 2877.78,5494.99 h60
  text "35,43mil (0,900mm)" at 3477.63,5494.99 h60
  text "PTH" at 4597.3,5494.99 h60
  text "Round" at 5103.18,5494.99 h60
  text "TOP - Bottom Layer" at 5836.98,5494.99 h60
  text "Pad" at 7026.63,5494.99 h60
  text "Rounded" at 7616.48,5494.99 h60
  text "c200h90m200" at 8362.28,5494.99 h60
  text "-" at 13072.91,5494.99 h60
  text "-" at 14182.58,5494.99 h60
  text "4" at 2877.78,5344.99 h60
  text "86,61mil (2,200mm)" at 3477.63,5344.99 h60
  text "PTH" at 4597.3,5344.99 h60
  text "Round" at 5103.18,5344.99 h60
  text "TOP - Bottom Layer" at 5836.98,5344.99 h60
  text "Pad" at 7026.63,5344.99 h60
  text "Rounded" at 7616.48,5344.99 h60
  text "c250h220m250" at 8362.28,5344.99 h60
  text "-" at 13072.91,5344.99 h60
  text "-" at 14182.58,5344.99 h60
  text "15" at 2877.78,5194.99 h60
  text "11,81mil (0,300mm)" at 3477.63,5194.99 h60
  text "PTH" at 4597.3,5194.99 h60
  text "Round" at 5103.18,5194.99 h60
  text "TOP - Bottom Layer" at 5836.98,5194.99 h60
  text "Via" at 7026.63,5194.99 h60
  text "Rounded" at 7616.48,5194.99 h60
  text "v50h30" at 8362.28,5194.99 h60
  text "-" at 13072.91,5194.99 h60
  text "-" at 14182.58,5194.99 h60
  text "618" at 2877.78,5044.99 h60
  text "7,87mil (0,200mm)" at 3477.63,5044.99 h60
  text "PTH" at 4597.3,5044.99 h60
  text "Round" at 5103.18,5044.99 h60
  text "TOP - Bottom Layer" at 5836.98,5044.99 h60
  text "Via" at 7026.63,5044.99 h60
  text "Rounded" at 7616.48,5044.99 h60
  text "(Mixed)" at 8362.28,5044.99 h60
  text "-" at 13072.91,5044.99 h60
  text "-" at 14182.58,5044.99 h60
  text "645 Total" at 2877.78,4894.99 h60
  text "Slot definitions :" at 2371.91,4750.02 h60
  text "Routed Path Length" at 3404.6,4750.02 h60
  text "= Calculated from tool start centre position to tool end centre position." at 4507.27,4750.02 h60
  text "Hole Length" at 3404.6,4650.05 h60
  text "= Routed Path Length + Tool Size = Slot length as defined in the PCB layout" at 4097.4,4650.05 h60